# KiCad board SlowLampLEDPanel.kicad_pcb (continued)
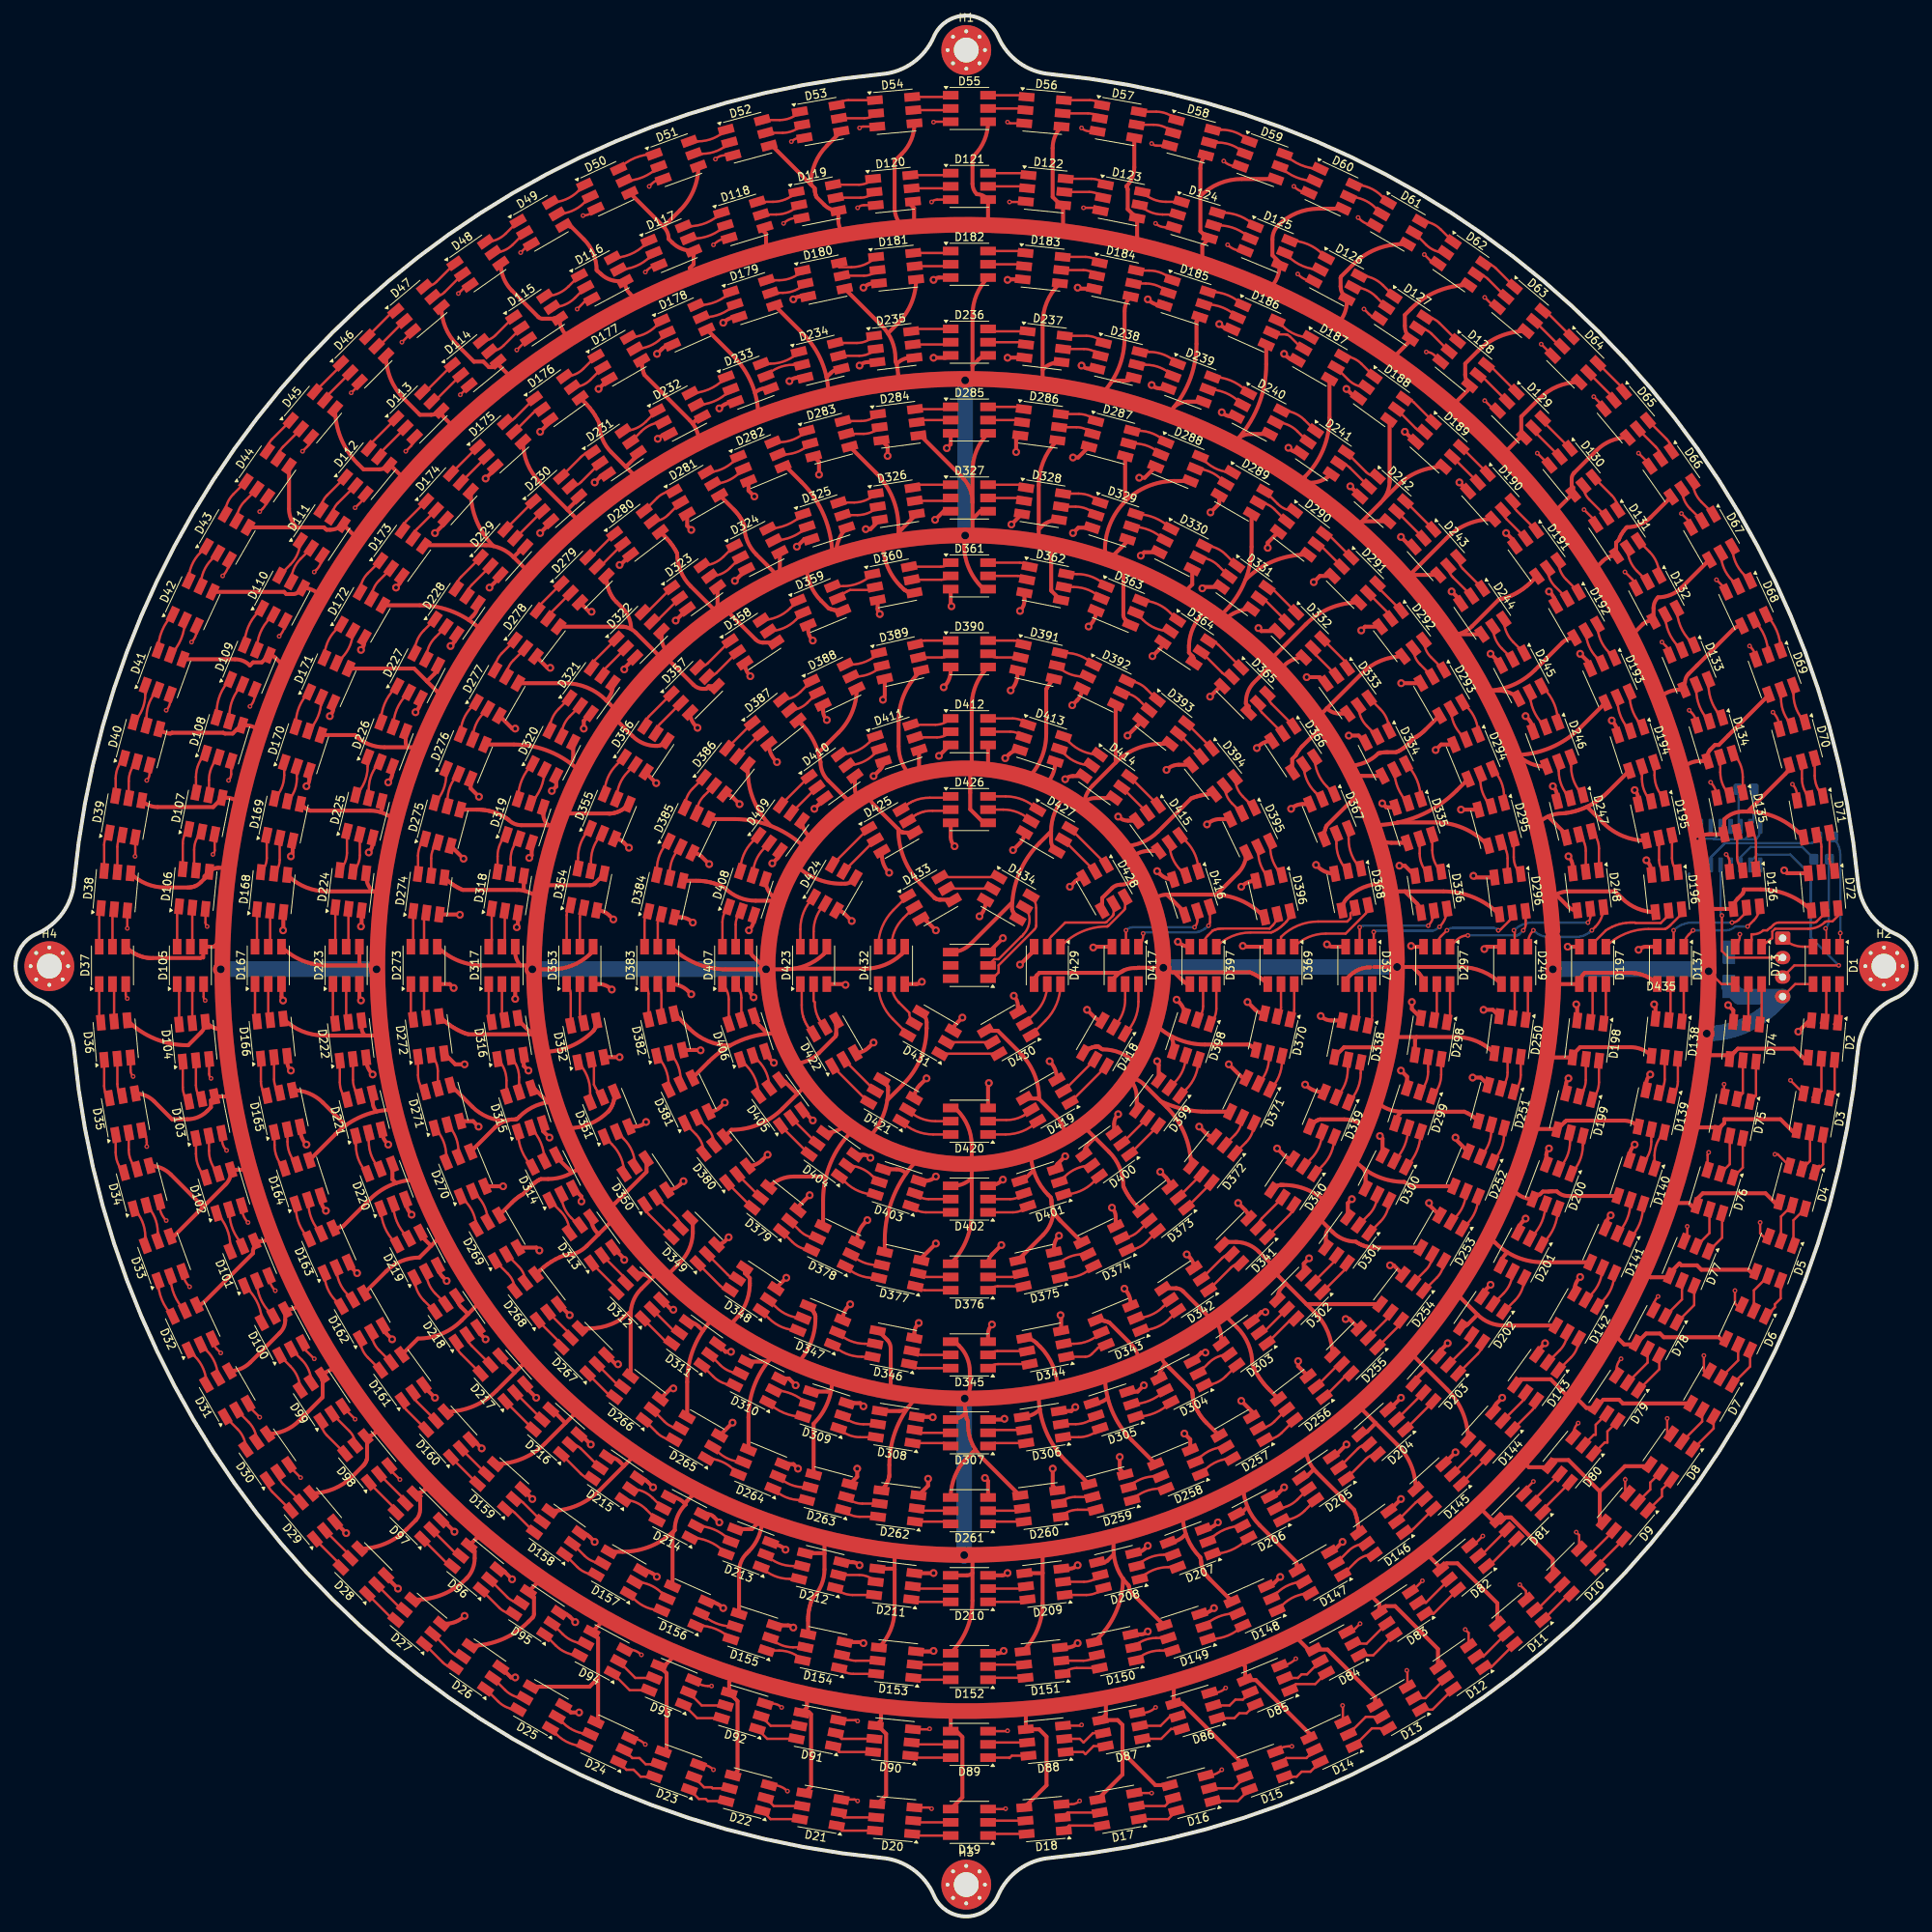
[diagram p0: board, top side]
## Placement (name value [footprint] x y rotation side) (continued)
D338  HD108  [LED_RGB_5050-6]  171.48 112.32 258.8 top
D339  HD108  [LED_RGB_5050-6]  168.63 102.95 247.5 top
D340  HD108  [LED_RGB_5050-6]  164.01 94.3 236.2 top
D341  HD108  [LED_RGB_5050-6]  157.79 86.72 225 top
D342  HD108  [LED_RGB_5050-6]  150.22 80.51 213.8 top
D343  HD108  [LED_RGB_5050-6]  141.57 75.89 202.5 top
D344  HD108  [LED_RGB_5050-6]  132.19 73.04 191.2 top
D345  HD108  [LED_RGB_5050-6]  122.44 72.08 180 top
D346  HD108  [LED_RGB_5050-6]  112.68 73.04 168.8 top
D347  HD108  [LED_RGB_5050-6]  103.3 75.89 157.5 top
D348  HD108  [LED_RGB_5050-6]  94.66 80.51 146.2 top
D349  HD108  [LED_RGB_5050-6]  87.08 86.72 135 top
D350  HD108  [LED_RGB_5050-6]  80.86 94.3 123.8 top
D351  HD108  [LED_RGB_5050-6]  76.24 102.95 112.5 top
D352  HD108  [LED_RGB_5050-6]  73.4 112.32 101.2 top
D353  HD108  [LED_RGB_5050-6]  72.44 122.08 90 top
D354  HD108  [LED_RGB_5050-6]  73.4 131.83 78.8 top
D355  HD108  [LED_RGB_5050-6]  76.24 141.21 67.5 top
D356  HD108  [LED_RGB_5050-6]  80.86 149.86 56.2 top
D357  HD108  [LED_RGB_5050-6]  87.08 157.43 45 top
D358  HD108  [LED_RGB_5050-6]  94.66 163.65 33.8 top
D359  HD108  [LED_RGB_5050-6]  103.3 168.27 22.5 top
D360  HD108  [LED_RGB_5050-6]  112.68 171.12 11.2 top
D361  HD108  [LED_RGB_5050-6]  122.44 172.08 0 top
D362  HD108  [LED_RGB_5050-6]  132.19 171.12 348.8 top
D363  HD108  [LED_RGB_5050-6]  141.57 168.27 337.5 top
D364  HD108  [LED_RGB_5050-6]  150.22 163.65 326.2 top
D365  HD108  [LED_RGB_5050-6]  157.79 157.43 315 top
D366  HD108  [LED_RGB_5050-6]  164.01 149.86 303.8 top
D367  HD108  [LED_RGB_5050-6]  168.63 141.21 292.5 top
D368  HD108  [LED_RGB_5050-6]  171.48 131.83 281.2 top
D369  HD108  [LED_RGB_5050-6]  162.44 122.08 270 top
D370  HD108  [LED_RGB_5050-6]  161.43 113.18 257.1 top
D371  HD108  [LED_RGB_5050-6]  158.48 104.72 244.3 top
D372  HD108  [LED_RGB_5050-6]  153.71 97.14 231.4 top
D373  HD108  [LED_RGB_5050-6]  147.38 90.81 218.6 top
D374  HD108  [LED_RGB_5050-6]  139.79 86.04 205.7 top
D375  HD108  [LED_RGB_5050-6]  131.34 83.08 192.9 top
D376  HD108  [LED_RGB_5050-6]  122.44 82.08 180 top
D377  HD108  [LED_RGB_5050-6]  113.54 83.08 167.1 top
D378  HD108  [LED_RGB_5050-6]  105.08 86.04 154.3 top
D379  HD108  [LED_RGB_5050-6]  97.5 90.81 141.4 top
D380  HD108  [LED_RGB_5050-6]  91.16 97.14 128.6 top
D381  HD108  [LED_RGB_5050-6]  86.4 104.72 115.7 top
D382  HD108  [LED_RGB_5050-6]  83.44 113.18 102.9 top
D383  HD108  [LED_RGB_5050-6]  82.44 122.08 90 top
D384  HD108  [LED_RGB_5050-6]  83.44 130.98 77.1 top
D385  HD108  [LED_RGB_5050-6]  86.4 139.43 64.3 top
D386  HD108  [LED_RGB_5050-6]  91.16 147.02 51.4 top
D387  HD108  [LED_RGB_5050-6]  97.5 153.35 38.6 top
D388  HD108  [LED_RGB_5050-6]  105.08 158.12 25.7 top
D389  HD108  [LED_RGB_5050-6]  113.54 161.08 12.9 top
D390  HD108  [LED_RGB_5050-6]  122.44 162.08 0 top
D391  HD108  [LED_RGB_5050-6]  131.34 161.08 347.1 top
D392  HD108  [LED_RGB_5050-6]  139.79 158.12 334.3 top
D393  HD108  [LED_RGB_5050-6]  147.38 153.35 321.4 top
D394  HD108  [LED_RGB_5050-6]  153.71 147.02 308.6 top
D395  HD108  [LED_RGB_5050-6]  158.48 139.43 295.7 top
D396  HD108  [LED_RGB_5050-6]  161.43 130.98 282.9 top
D397  HD108  [LED_RGB_5050-6]  152.44 122.08 270 top
D398  HD108  [LED_RGB_5050-6]  150.97 112.81 252 top
D399  HD108  [LED_RGB_5050-6]  146.71 104.45 234 top
D400  HD108  [LED_RGB_5050-6]  140.07 97.81 216 top
D401  HD108  [LED_RGB_5050-6]  131.71 93.55 198 top
D402  HD108  [LED_RGB_5050-6]  122.44 92.08 180 top
D403  HD108  [LED_RGB_5050-6]  113.17 93.55 162 top
D404  HD108  [LED_RGB_5050-6]  104.8 97.81 144 top
D405  HD108  [LED_RGB_5050-6]  98.17 104.45 126 top
D406  HD108  [LED_RGB_5050-6]  93.91 112.81 108 top
D407  HD108  [LED_RGB_5050-6]  92.44 122.08 90 top
D408  HD108  [LED_RGB_5050-6]  93.91 131.35 72 top
D409  HD108  [LED_RGB_5050-6]  98.17 139.71 54 top
D410  HD108  [LED_RGB_5050-6]  104.8 146.35 36 top
D411  HD108  [LED_RGB_5050-6]  113.17 150.61 18 top
D412  HD108  [LED_RGB_5050-6]  122.44 152.08 0 top
D413  HD108  [LED_RGB_5050-6]  131.71 150.61 342 top
D414  HD108  [LED_RGB_5050-6]  140.07 146.35 324 top
D415  HD108  [LED_RGB_5050-6]  146.71 139.71 306 top
D416  HD108  [LED_RGB_5050-6]  150.97 131.35 288 top
D417  HD108  [LED_RGB_5050-6]  142.44 122.08 270 top
D418  HD108  [LED_RGB_5050-6]  139.76 112.08 240 top
D419  HD108  [LED_RGB_5050-6]  132.44 104.76 210 top
D420  HD108  [LED_RGB_5050-6]  122.44 102.08 180 top
D421  HD108  [LED_RGB_5050-6]  112.44 104.76 150 top
D422  HD108  [LED_RGB_5050-6]  105.12 112.08 120 top
D423  HD108  [LED_RGB_5050-6]  102.44 122.08 90 top
D424  HD108  [LED_RGB_5050-6]  105.12 132.08 60 top
D425  HD108  [LED_RGB_5050-6]  112.44 139.4 30 top
D426  HD108  [LED_RGB_5050-6]  122.44 142.08 0 top
D427  HD108  [LED_RGB_5050-6]  132.44 139.4 330 top
D428  HD108  [LED_RGB_5050-6]  139.76 132.08 300 top
D429  HD108  [LED_RGB_5050-6]  132.44 122.08 270 top
D430  HD108  [LED_RGB_5050-6]  127.44 113.42 210 top
D431  HD108  [LED_RGB_5050-6]  117.44 113.42 150 top
D432  HD108  [LED_RGB_5050-6]  112.44 122.08 90 top
D433  HD108  [LED_RGB_5050-6]  117.44 130.74 30 top
D434  HD108  [LED_RGB_5050-6]  127.44 130.74 330 top
D435  HD108  [LED_RGB_5050-6]  122.44 122.08 180 top
G***  -  [LOGO]  121.94 70.17 180 bottom
H1  MountingHole_Pad  [MountingHole_3.2mm_M3_Pad_Via]  122.04 239.58 0 top
H2  MountingHole_Pad  [MountingHole_3.2mm_M3_Pad_Via]  239.84 121.98 0 top
H3  MountingHole_Pad  [MountingHole_3.2mm_M3_Pad_Via]  122.03 4.08 0 top
H4  MountingHole_Pad  [MountingHole_3.2mm_M3_Pad_Via]  4.34 121.98 0 top
J2  Conn_01x04_Socket  [JST_XH_B4B-XH-A_1x04_P2.50mm_Vertical]  226.84 125.58 270 bottom
R5  47Ω  [R_0805_2012Metric_Pad1.20x1.40mm_HandSolder]  231.84 135.71 0 bottom
R6  47Ω  [R_0805_2012Metric_Pad1.20x1.40mm_HandSolder]  232.34 138.58 0 bottom
U1  74AHCT125  [SOIC-14_3.9x8.7mm_P1.27mm]  220.15 137.45 90 bottom

## Library data of the parts
C1 = -: Description: Polarized capacitor; ki_fp_filters: CP_*
C5 = -: Description: Unpolarized capacitor; ki_fp_filters: C_*
D1-D435 = -: Datasheet: http://www.led-color.com/upload/201506/APA102%20LED.pdf; Description: RGB LED with integrated controller; ki_fp_filters: LED*RGB*5050*
H1-H4 = -: Description: Mounting Hole with connection; ki_fp_filters: MountingHole*Pad*
J2 = -: Description: Generic connector, single row, 01x04, script generated; ki_fp_filters: Connector*:*_1x??_*
R5 R6 = -: Description: Resistor; ki_fp_filters: R_*
U1 = -: Datasheet: https://www.ti.com/lit/ds/symlink/sn74ahct125.pdf; Description: Quadruple Bus Buffer Gates With 3-State Outputs; ki_fp_filters: DIP*W7.62mm* SO14* SSOP?14* TSSOP?14* SOIC*3.9x8.7mm*P1.27mm*

## Footprints (pads in the part's own frame, mm; a bottom-side part is the same pattern mirrored in y, then rotated)
C_0805_2012Metric_Pad1.18x1.45mm_HandSolder
  rrect 1.175x1.45 smd: 1(-1.038,0) 2(1.038,0)
JST_XH_B4B-XH-A_1x04_P2.50mm_Vertical
  rrect 1.7x1.95 hole 0.95: 1(0,0)
  oval 1.7x1.95 hole 0.95: 2(2.5,0) 3(5,0) 4(7.5,0)
LED_RGB_5050-6
  rect 2x1.1 smd: 1(-2.4,1.7) 2(-2.4,0) 3(-2.4,-1.7) 4(2.4,-1.7) 5(2.4,0) 6(2.4,1.7)
MountingHole_3.2mm_M3_Pad_Via
  round 0.8 hole 0.5: 1(-2.4,0) 1(-1.697,1.697) 1(-1.697,-1.697) 1(0,2.4) 1(0,-2.4) 1(1.697,1.697) 1(1.697,-1.697) 1(2.4,0)
  round 6.4 hole 3.2: 1(0,0)
R_0805_2012Metric_Pad1.20x1.40mm_HandSolder
  rrect 1.2x1.4 smd: 1(-1,0) 2(1,0)
SOIC-14_3.9x8.7mm_P1.27mm
  rrect 1.95x0.6 smd: 1(-2.475,3.81) 2(-2.475,2.54) 3(-2.475,1.27) 4(-2.475,0) 5(-2.475,-1.27) 6(-2.475,-2.54) 7(-2.475,-3.81) 8(2.475,-3.81) 9(2.475,-2.54) 10(2.475,-1.27) 11(2.475,0) 12(2.475,1.27) 13(2.475,2.54) 14(2.475,3.81)
WCAP-ASLI_5X5.5_DXL_
  rect 3x1.6 smd: 1(2.2,0) 2(-2.2,0)

## Nets
+5V: C1.1 C5.1 D1.4 D2.4 D3.4 D4.4 D5.4 D6.4 D7.4 D8.4 D9.4 D10.4 D11.4 D12.4 D13.4 D14.4 D15.4 D16.4 D17.4 D18.4 D19.4 D20.4 D21.4 D22.4 D23.4 D24.4 D25.4 D26.4 D27.4 D28.4 D29.4 D30.4 D31.4 D32.4 D33.4 D34.4 D35.4 D36.4 D37.4 D38.4 D39.4 D40.4 D41.4 D42.4 D43.4 D44.4 D45.4 D46.4 D47.4 D48.4 D49.4 D50.4 D51.4 D52.4 D53.4 D54.4 D55.4 D56.4 D57.4 D58.4 D59.4 D60.4 D61.4 D62.4 D63.4 D64.4 D65.4 D66.4 D67.4 D68.4 D69.4 D70.4 D71.4 D72.4 D73.4 D74.4 D75.4 D76.4 D77.4 D78.4 D79.4 D80.4 D81.4 D82.4 D83.4 D84.4 D85.4 D86.4 D87.4 D88.4 D89.4 D90.4 D91.4 D92.4 D93.4 D94.4 D95.4 D96.4 D97.4 D98.4 D99.4 D100.4 D101.4 D102.4 D103.4 D104.4 D105.4 D106.4 D107.4 D108.4 D109.4 D110.4 D111.4 D112.4 D113.4 D114.4 D115.4 D116.4 D117.4 D118.4 D119.4 D120.4 D121.4 D122.4 D123.4 D124.4 D125.4 D126.4 D127.4 D128.4 D129.4 D130.4 D131.4 D132.4 D133.4 D134.4 D135.4 D136.4 D137.4 D138.4 D139.4 D140.4 D141.4 D142.4 D143.4 D144.4 D145.4 D146.4 D147.4 D148.4 D149.4 D150.4 D151.4 D152.4 D153.4 D154.4 D155.4 D156.4 D157.4 D158.4 D159.4 D160.4 D161.4 D162.4 D163.4 D164.4 D165.4 D166.4 D167.4 D168.4 D169.4 D170.4 D171.4 D172.4 D173.4 D174.4 D175.4 D176.4 D177.4 D178.4 D179.4 D180.4 D181.4 D182.4 D183.4 D184.4 D185.4 D186.4 D187.4 D188.4 D189.4 D190.4 D191.4 D192.4 D193.4 D194.4 D195.4 D196.4 D197.4 D198.4 D199.4 D200.4 D201.4 D202.4 D203.4 D204.4 D205.4 D206.4 D207.4 D208.4 D209.4 D210.4 D211.4 D212.4 D213.4 D214.4 D215.4 D216.4 D217.4 D218.4 D219.4 D220.4 D221.4 D222.4 D223.4 D224.4 D225.4 D226.4 D227.4 D228.4 D229.4 D230.4 D231.4 D232.4 D233.4 D234.4 D235.4 D236.4 D237.4 D238.4 D239.4 D240.4 D241.4 D242.4 D243.4 D244.4 D245.4 D246.4 D247.4 D248.4 D249.4 D250.4 D251.4 D252.4 D253.4 D254.4 D255.4 D256.4 D257.4 D258.4 D259.4 D260.4 D261.4 D262.4 D263.4 D264.4 D265.4 D266.4 D267.4 D268.4 D269.4 D270.4 D271.4 D272.4 D273.4 D274.4 D275.4 D276.4 D277.4 D278.4 D279.4 D280.4 D281.4 D282.4 D283.4 D284.4 D285.4 D286.4 D287.4 D288.4 D289.4 D290.4 D291.4 D292.4 D293.4 D294.4 D295.4 D296.4 D297.4 D298.4 D299.4 D300.4 D301.4 D302.4 D303.4 D304.4 D305.4 D306.4 D307.4 D308.4 D309.4 D310.4 D311.4 D312.4 D313.4 D314.4 D315.4 D316.4 D317.4 D318.4 D319.4 D320.4 D321.4 D322.4 D323.4 D324.4 D325.4 D326.4 D327.4 D328.4 D329.4 D330.4 D331.4 D332.4 D333.4 D334.4 D335.4 D336.4 D337.4 D338.4 D339.4 D340.4 D341.4 D342.4 D343.4 D344.4 D345.4 D346.4 D347.4 D348.4 D349.4 D350.4 D351.4 D352.4 D353.4 D354.4 D355.4 D356.4 D357.4 D358.4 D359.4 D360.4 D361.4 D362.4 D363.4 D364.4 D365.4 D366.4 D367.4 D368.4 D369.4 D370.4 D371.4 D372.4 D373.4 D374.4 D375.4 D376.4 D377.4 D378.4 D379.4 D380.4 D381.4 D382.4 D383.4 D384.4 D385.4 D386.4 D387.4 D388.4 D389.4 D390.4 D391.4 D392.4 D393.4 D394.4 D395.4 D396.4 D397.4 D398.4 D399.4 D400.4 D401.4 D402.4 D403.4 D404.4 D405.4 D406.4 D407.4 D408.4 D409.4 D410.4 D411.4 D412.4 D413.4 D414.4 D415.4 D416.4 D417.4 D418.4 D419.4 D420.4 D421.4 D422.4 D423.4 D424.4 D425.4 D426.4 D427.4 D428.4 D429.4 D430.4 D431.4 D432.4 D433.4 D434.4 D435.4 J2.4 U1.10 U1.13 U1.14
GND: C1.2 C5.2 D1.3 D2.3 D3.3 D4.3 D5.3 D6.3 D7.3 D8.3 D9.3 D10.3 D11.3 D12.3 D13.3 D14.3 D15.3 D16.3 D17.3 D18.3 D19.3 D20.3 D21.3 D22.3 D23.3 D24.3 D25.3 D26.3 D27.3 D28.3 D29.3 D30.3 D31.3 D32.3 D33.3 D34.3 D35.3 D36.3 D37.3 D38.3 D39.3 D40.3 D41.3 D42.3 D43.3 D44.3 D45.3 D46.3 D47.3 D48.3 D49.3 D50.3 D51.3 D52.3 D53.3 D54.3 D55.3 D56.3 D57.3 D58.3 D59.3 D60.3 D61.3 D62.3 D63.3 D64.3 D65.3 D66.3 D67.3 D68.3 D69.3 D70.3 D71.3 D72.3 D73.3 D74.3 D75.3 D76.3 D77.3 D78.3 D79.3 D80.3 D81.3 D82.3 D83.3 D84.3 D85.3 D86.3 D87.3 D88.3 D89.3 D90.3 D91.3 D92.3 D93.3 D94.3 D95.3 D96.3 D97.3 D98.3 D99.3 D100.3 D101.3 D102.3 D103.3 D104.3 D105.3 D106.3 D107.3 D108.3 D109.3 D110.3 D111.3 D112.3 D113.3 D114.3 D115.3 D116.3 D117.3 D118.3 D119.3 D120.3 D121.3 D122.3 D123.3 D124.3 D125.3 D126.3 D127.3 D128.3 D129.3 D130.3 D131.3 D132.3 D133.3 D134.3 D135.3 D136.3 D137.3 D138.3 D139.3 D140.3 D141.3 D142.3 D143.3 D144.3 D145.3 D146.3 D147.3 D148.3 D149.3 D150.3 D151.3 D152.3 D153.3 D154.3 D155.3 D156.3 D157.3 D158.3 D159.3 D160.3 D161.3 D162.3 D163.3 D164.3 D165.3 D166.3 D167.3 D168.3 D169.3 D170.3 D171.3 D172.3 D173.3 D174.3 D175.3 D176.3 D177.3 D178.3 D179.3 D180.3 D181.3 D182.3 D183.3 D184.3 D185.3 D186.3 D187.3 D188.3 D189.3 D190.3 D191.3 D192.3 D193.3 D194.3 D195.3 D196.3 D197.3 D198.3 D199.3 D200.3 D201.3 D202.3 D203.3 D204.3 D205.3 D206.3 D207.3 D208.3 D209.3 D210.3 D211.3 D212.3 D213.3 D214.3 D215.3 D216.3 D217.3 D218.3 D219.3 D220.3 D221.3 D222.3 D223.3 D224.3 D225.3 D226.3 D227.3 D228.3 D229.3 D230.3 D231.3 D232.3 D233.3 D234.3 D235.3 D236.3 D237.3 D238.3 D239.3 D240.3 D241.3 D242.3 D243.3 D244.3 D245.3 D246.3 D247.3 D248.3 D249.3 D250.3 D251.3 D252.3 D253.3 D254.3 D255.3 D256.3 D257.3 D258.3 D259.3 D260.3 D261.3 D262.3 D263.3 D264.3 D265.3 D266.3 D267.3 D268.3 D269.3 D270.3 D271.3 D272.3 D273.3 D274.3 D275.3 D276.3 D277.3 D278.3 D279.3 D280.3 D281.3 D282.3 D283.3 D284.3 D285.3 D286.3 D287.3 D288.3 D289.3 D290.3 D291.3 D292.3 D293.3 D294.3 D295.3 D296.3 D297.3 D298.3 D299.3 D300.3 D301.3 D302.3 D303.3 D304.3 D305.3 D306.3 D307.3 D308.3 D309.3 D310.3 D311.3 D312.3 D313.3 D314.3 D315.3 D316.3 D317.3 D318.3 D319.3 D320.3 D321.3 D322.3 D323.3 D324.3 D325.3 D326.3 D327.3 D328.3 D329.3 D330.3 D331.3 D332.3 D333.3 D334.3 D335.3 D336.3 D337.3 D338.3 D339.3 D340.3 D341.3 D342.3 D343.3 D344.3 D345.3 D346.3 D347.3 D348.3 D349.3 D350.3 D351.3 D352.3 D353.3 D354.3 D355.3 D356.3 D357.3 D358.3 D359.3 D360.3 D361.3 D362.3 D363.3 D364.3 D365.3 D366.3 D367.3 D368.3 D369.3 D370.3 D371.3 D372.3 D373.3 D374.3 D375.3 D376.3 D377.3 D378.3 D379.3 D380.3 D381.3 D382.3 D383.3 D384.3 D385.3 D386.3 D387.3 D388.3 D389.3 D390.3 D391.3 D392.3 D393.3 D394.3 D395.3 D396.3 D397.3 D398.3 D399.3 D400.3 D401.3 D402.3 D403.3 D404.3 D405.3 D406.3 D407.3 D408.3 D409.3 D410.3 D411.3 D412.3 D413.3 D414.3 D415.3 D416.3 D417.3 D418.3 D419.3 D420.3 D421.3 D422.3 D423.3 D424.3 D425.3 D426.3 D427.3 D428.3 D429.3 D430.3 D431.3 D432.3 D433.3 D434.3 D435.3 J2.1 U1.1 U1.4 U1.7 U1.9 U1.12
CKI: D1.2 R5.2
SDI: D1.1 R6.2
Net-(D1-CO): D1.5 D2.2
Net-(D1-DO): D1.6 D2.1
Net-(D2-CO): D2.5 D3.2
Net-(D2-DO): D2.6 D3.1
Net-(D3-CO): D3.5 D4.2
Net-(D3-DO): D3.6 D4.1
Net-(D4-CO): D4.5 D5.2
Net-(D4-DO): D4.6 D5.1
Net-(D5-CO): D5.5 D6.2
Net-(D5-DO): D5.6 D6.1
Net-(D6-CO): D6.5 D7.2
Net-(D6-DO): D6.6 D7.1
Net-(D7-CO): D7.5 D8.2
Net-(D7-DO): D7.6 D8.1
Net-(D8-CO): D8.5 D9.2
Net-(D8-DO): D8.6 D9.1
Net-(D10-CI): D9.5 D10.2
Net-(D10-CO): D10.5 D11.2
Net-(D10-DI): D9.6 D10.1
Net-(D10-DO): D10.6 D11.1
Net-(D11-CO): D11.5 D12.2
Net-(D11-DO): D11.6 D12.1
Net-(D12-CO): D12.5 D13.2
Net-(D12-DO): D12.6 D13.1
Net-(D13-CO): D13.5 D14.2
Net-(D13-DO): D13.6 D14.1
Net-(D14-CO): D14.5 D15.2
Net-(D14-DO): D14.6 D15.1
Net-(D15-CO): D15.5 D16.2
Net-(D15-DO): D15.6 D16.1
Net-(D16-CO): D16.5 D17.2
Net-(D16-DO): D16.6 D17.1
Net-(D17-CO): D17.5 D18.2
Net-(D17-DO): D17.6 D18.1
Net-(D18-CO): D18.5 D19.2
Net-(D18-DO): D18.6 D19.1
Net-(D19-CO): D19.5 D20.2
Net-(D19-DO): D19.6 D20.1
Net-(D20-CO): D20.5 D21.2
Net-(D20-DO): D20.6 D21.1
Net-(D21-CO): D21.5 D22.2
Net-(D21-DO): D21.6 D22.1
Net-(D22-CO): D22.5 D23.2
Net-(D22-DO): D22.6 D23.1
Net-(D23-CO): D23.5 D24.2
Net-(D23-DO): D23.6 D24.1
Net-(D24-CO): D24.5 D25.2
Net-(D24-DO): D24.6 D25.1
Net-(D25-CO): D25.5 D26.2
Net-(D25-DO): D25.6 D26.1
Net-(D26-CO): D26.5 D27.2
Net-(D26-DO): D26.6 D27.1
Net-(D27-CO): D27.5 D28.2
Net-(D27-DO): D27.6 D28.1
Net-(D28-CO): D28.5 D29.2
Net-(D28-DO): D28.6 D29.1
Net-(D29-CO): D29.5 D30.2
Net-(D29-DO): D29.6 D30.1
Net-(D30-CO): D30.5 D31.2
Net-(D30-DO): D30.6 D31.1
Net-(D31-CO): D31.5 D32.2
Net-(D31-DO): D31.6 D32.1
Net-(D32-CO): D32.5 D33.2
Net-(D32-DO): D32.6 D33.1
Net-(D33-CO): D33.5 D34.2
Net-(D33-DO): D33.6 D34.1
Net-(D34-CO): D34.5 D35.2
Net-(D34-DO): D34.6 D35.1
Net-(D35-CO): D35.5 D36.2
Net-(D35-DO): D35.6 D36.1
Net-(D36-CO): D36.5 D37.2
Net-(D36-DO): D36.6 D37.1
Net-(D37-CO): D37.5 D38.2
Net-(D37-DO): D37.6 D38.1
Net-(D38-CO): D38.5 D39.2
Net-(D38-DO): D38.6 D39.1
Net-(D39-CO): D39.5 D40.2
Net-(D39-DO): D39.6 D40.1
Net-(D40-CO): D40.5 D41.2
Net-(D40-DO): D40.6 D41.1
Net-(D41-CO): D41.5 D42.2
Net-(D41-DO): D41.6 D42.1
Net-(D42-CO): D42.5 D43.2
Net-(D42-DO): D42.6 D43.1
Net-(D43-CO): D43.5 D44.2
Net-(D43-DO): D43.6 D44.1
Net-(D44-CO): D44.5 D45.2
Net-(D44-DO): D44.6 D45.1
Net-(D45-CO): D45.5 D46.2
Net-(D45-DO): D45.6 D46.1
Net-(D46-CO): D46.5 D47.2
Net-(D46-DO): D46.6 D47.1
Net-(D47-CO): D47.5 D48.2
Net-(D47-DO): D47.6 D48.1
Net-(D48-CO): D48.5 D49.2
Net-(D48-DO): D48.6 D49.1
Net-(D49-CO): D49.5 D50.2
Net-(D49-DO): D49.6 D50.1
Net-(D50-CO): D50.5 D51.2
Net-(D50-DO): D50.6 D51.1
Net-(D51-CO): D51.5 D52.2
Net-(D51-DO): D51.6 D52.1
Net-(D52-CO): D52.5 D53.2
Net-(D52-DO): D52.6 D53.1
Net-(D53-CO): D53.5 D54.2
Net-(D53-DO): D53.6 D54.1
Net-(D54-CO): D54.5 D55.2
Net-(D54-DO): D54.6 D55.1
Net-(D55-CO): D55.5 D56.2
Net-(D55-DO): D55.6 D56.1
Net-(D56-CO): D56.5 D57.2
Net-(D56-DO): D56.6 D57.1
Net-(D57-CO): D57.5 D58.2
Net-(D57-DO): D57.6 D58.1
Net-(D58-CO): D58.5 D59.2
Net-(D58-DO): D58.6 D59.1
Net-(D59-CO): D59.5 D60.2
Net-(D59-DO): D59.6 D60.1
Net-(D60-CO): D60.5 D61.2
Net-(D60-DO): D60.6 D61.1
Net-(D61-CO): D61.5 D62.2
Net-(D61-DO): D61.6 D62.1
Net-(D62-CO): D62.5 D63.2
Net-(D62-DO): D62.6 D63.1
Net-(D63-CO): D63.5 D64.2
Net-(D63-DO): D63.6 D64.1
Net-(D64-CO): D64.5 D65.2
Net-(D64-DO): D64.6 D65.1
Net-(D65-CO): D65.5 D66.2
Net-(D65-DO): D65.6 D66.1
Net-(D66-CO): D66.5 D67.2
Net-(D66-DO): D66.6 D67.1
Net-(D67-CO): D67.5 D68.2
Net-(D67-DO): D67.6 D68.1
Net-(D68-CO): D68.5 D69.2
Net-(D68-DO): D68.6 D69.1
Net-(D69-CO): D69.5 D70.2
Net-(D69-DO): D69.6 D70.1
Net-(D70-CO): D70.5 D71.2
Net-(D70-DO): D70.6 D71.1
Net-(D71-CO): D71.5 D72.2
Net-(D71-DO): D71.6 D72.1
Net-(D72-CO): D72.5 D73.2
Net-(D72-DO): D72.6 D73.1
Net-(D73-CO): D73.5 D74.2
Net-(D73-DO): D73.6 D74.1
Net-(D74-CO): D74.5 D75.2
Net-(D74-DO): D74.6 D75.1
Net-(D75-CO): D75.5 D76.2
Net-(D75-DO): D75.6 D76.1
Net-(D76-CO): D76.5 D77.2
Net-(D76-DO): D76.6 D77.1
Net-(D77-CO): D77.5 D78.2
Net-(D77-DO): D77.6 D78.1
Net-(D78-CO): D78.5 D79.2
Net-(D78-DO): D78.6 D79.1
Net-(D79-CO): D79.5 D80.2
Net-(D79-DO): D79.6 D80.1
Net-(D80-CO): D80.5 D81.2
Net-(D80-DO): D80.6 D81.1
Net-(D81-CO): D81.5 D82.2
Net-(D81-DO): D81.6 D82.1
Net-(D82-CO): D82.5 D83.2
Net-(D82-DO): D82.6 D83.1
Net-(D83-CO): D83.5 D84.2
Net-(D83-DO): D83.6 D84.1
Net-(D84-CO): D84.5 D85.2
Net-(D84-DO): D84.6 D85.1
Net-(D85-CO): D85.5 D86.2
Net-(D85-DO): D85.6 D86.1
Net-(D86-CO): D86.5 D87.2
Net-(D86-DO): D86.6 D87.1
Net-(D87-CO): D87.5 D88.2
Net-(D87-DO): D87.6 D88.1
Net-(D88-CO): D88.5 D89.2
Net-(D88-DO): D88.6 D89.1
Net-(D89-CO): D89.5 D90.2
Net-(D89-DO): D89.6 D90.1
Net-(D90-CO): D90.5 D91.2
Net-(D90-DO): D90.6 D91.1
Net-(D91-CO): D91.5 D92.2
Net-(D91-DO): D91.6 D92.1
Net-(D92-CO): D92.5 D93.2
Net-(D92-DO): D92.6 D93.1
Net-(D93-CO): D93.5 D94.2
Net-(D93-DO): D93.6 D94.1
Net-(D94-CO): D94.5 D95.2
Net-(D94-DO): D94.6 D95.1
Net-(D95-CO): D95.5 D96.2
Net-(D95-DO): D95.6 D96.1
Net-(D96-CO): D96.5 D97.2
Net-(D96-DO): D96.6 D97.1
Net-(D97-CO): D97.5 D98.2
Net-(D97-DO): D97.6 D98.1
Net-(D98-CO): D98.5 D99.2
Net-(D98-DO): D98.6 D99.1
Net-(D100-CI): D99.5 D100.2
Net-(D100-CO): D100.5 D101.2
Net-(D100-DI): D99.6 D100.1
Net-(D100-DO): D100.6 D101.1
Net-(D101-CO): D101.5 D102.2
Net-(D101-DO): D101.6 D102.1
Net-(D102-CO): D102.5 D103.2
Net-(D102-DO): D102.6 D103.1
Net-(D103-CO): D103.5 D104.2
Net-(D103-DO): D103.6 D104.1
Net-(D104-CO): D104.5 D105.2
Net-(D104-DO): D104.6 D105.1
Net-(D105-CO): D105.5 D106.2
Net-(D105-DO): D105.6 D106.1
Net-(D106-CO): D106.5 D107.2
Net-(D106-DO): D106.6 D107.1
Net-(D107-CO): D107.5 D108.2
Net-(D107-DO): D107.6 D108.1
Net-(D108-CO): D108.5 D109.2
Net-(D108-DO): D108.6 D109.1
Net-(D109-CO): D109.5 D110.2
Net-(D109-DO): D109.6 D110.1
Net-(D110-CO): D110.5 D111.2
Net-(D110-DO): D110.6 D111.1
Net-(D111-CO): D111.5 D112.2
Net-(D111-DO): D111.6 D112.1
Net-(D112-CO): D112.5 D113.2
Net-(D112-DO): D112.6 D113.1
Net-(D113-CO): D113.5 D114.2
Net-(D113-DO): D113.6 D114.1
Net-(D114-CO): D114.5 D115.2
Net-(D114-DO): D114.6 D115.1
Net-(D115-CO): D115.5 D116.2
Net-(D115-DO): D115.6 D116.1
Net-(D116-CO): D116.5 D117.2
Net-(D116-DO): D116.6 D117.1
Net-(D117-CO): D117.5 D118.2
Net-(D117-DO): D117.6 D118.1
Net-(D118-CO): D118.5 D119.2
Net-(D118-DO): D118.6 D119.1
Net-(D119-CO): D119.5 D120.2
Net-(D119-DO): D119.6 D120.1
Net-(D120-CO): D120.5 D121.2
Net-(D120-DO): D120.6 D121.1
Net-(D121-CO): D121.5 D122.2
Net-(D121-DO): D121.6 D122.1
Net-(D122-CO): D122.5 D123.2
Net-(D122-DO): D122.6 D123.1
Net-(D123-CO): D123.5 D124.2
Net-(D123-DO): D123.6 D124.1
Net-(D124-CO): D124.5 D125.2
Net-(D124-DO): D124.6 D125.1
Net-(D125-CO): D125.5 D126.2
Net-(D125-DO): D125.6 D126.1
Net-(D126-CO): D126.5 D127.2
Net-(D126-DO): D126.6 D127.1
Net-(D127-CO): D127.5 D128.2
Net-(D127-DO): D127.6 D128.1
Net-(D128-CO): D128.5 D129.2
Net-(D128-DO): D128.6 D129.1
Net-(D129-CO): D129.5 D130.2
Net-(D129-DO): D129.6 D130.1
Net-(D130-CO): D130.5 D131.2
Net-(D130-DO): D130.6 D131.1
Net-(D131-CO): D131.5 D132.2
Net-(D131-DO): D131.6 D132.1
Net-(D132-CO): D132.5 D133.2
Net-(D132-DO): D132.6 D133.1
Net-(D133-CO): D133.5 D134.2
Net-(D133-DO): D133.6 D134.1
Net-(D134-CO): D134.5 D135.2
Net-(D134-DO): D134.6 D135.1
Net-(D135-CO): D135.5 D136.2
Net-(D135-DO): D135.6 D136.1
Net-(D136-CO): D136.5 D137.2
Net-(D136-DO): D136.6 D137.1
Net-(D137-CO): D137.5 D138.2
Net-(D137-DO): D137.6 D138.1
Net-(D138-CO): D138.5 D139.2
Net-(D138-DO): D138.6 D139.1
Net-(D139-CO): D139.5 D140.2
Net-(D139-DO): D139.6 D140.1
Net-(D140-CO): D140.5 D141.2
Net-(D140-DO): D140.6 D141.1
Net-(D141-CO): D141.5 D142.2
Net-(D141-DO): D141.6 D142.1
Net-(D142-CO): D142.5 D143.2
Net-(D142-DO): D142.6 D143.1
Net-(D143-CO): D143.5 D144.2
Net-(D143-DO): D143.6 D144.1
Net-(D144-CO): D144.5 D145.2
Net-(D144-DO): D144.6 D145.1
Net-(D145-CO): D145.5 D146.2
Net-(D145-DO): D145.6 D146.1
Net-(D146-CO): D146.5 D147.2
Net-(D146-DO): D146.6 D147.1
Net-(D147-CO): D147.5 D148.2
Net-(D147-DO): D147.6 D148.1
Net-(D148-CO): D148.5 D149.2
Net-(D148-DO): D148.6 D149.1
Net-(D149-CO): D149.5 D150.2
Net-(D149-DO): D149.6 D150.1
Net-(D150-CO): D150.5 D151.2
Net-(D150-DO): D150.6 D151.1
Net-(D151-CO): D151.5 D152.2
Net-(D151-DO): D151.6 D152.1
Net-(D152-CO): D152.5 D153.2
Net-(D152-DO): D152.6 D153.1
Net-(D153-CO): D153.5 D154.2
Net-(D153-DO): D153.6 D154.1
Net-(D154-CO): D154.5 D155.2
Net-(D154-DO): D154.6 D155.1
Net-(D155-CO): D155.5 D156.2
Net-(D155-DO): D155.6 D156.1
Net-(D156-CO): D156.5 D157.2
Net-(D156-DO): D156.6 D157.1
Net-(D157-CO): D157.5 D158.2
Net-(D157-DO): D157.6 D158.1
Net-(D158-CO): D158.5 D159.2
Net-(D158-DO): D158.6 D159.1
Net-(D159-CO): D159.5 D160.2
Net-(D159-DO): D159.6 D160.1
Net-(D160-CO): D160.5 D161.2
Net-(D160-DO): D160.6 D161.1
Net-(D161-CO): D161.5 D162.2
Net-(D161-DO): D161.6 D162.1
Net-(D162-CO): D162.5 D163.2
Net-(D162-DO): D162.6 D163.1
Net-(D163-CO): D163.5 D164.2
Net-(D163-DO): D163.6 D164.1
Net-(D164-CO): D164.5 D165.2
Net-(D164-DO): D164.6 D165.1
Net-(D165-CO): D165.5 D166.2
Net-(D165-DO): D165.6 D166.1
Net-(D166-CO): D166.5 D167.2
Net-(D166-DO): D166.6 D167.1
Net-(D167-CO): D167.5 D168.2
Net-(D167-DO): D167.6 D168.1
Net-(D168-CO): D168.5 D169.2
Net-(D168-DO): D168.6 D169.1
Net-(D169-CO): D169.5 D170.2
Net-(D169-DO): D169.6 D170.1
Net-(D170-CO): D170.5 D171.2
Net-(D170-DO): D170.6 D171.1
Net-(D171-CO): D171.5 D172.2
Net-(D171-DO): D171.6 D172.1
Net-(D172-CO): D172.5 D173.2
Net-(D172-DO): D172.6 D173.1
Net-(D173-CO): D173.5 D174.2
Net-(D173-DO): D173.6 D174.1
Net-(D174-CO): D174.5 D175.2
Net-(D174-DO): D174.6 D175.1
Net-(D175-CO): D175.5 D176.2
Net-(D175-DO): D175.6 D176.1
Net-(D176-CO): D176.5 D177.2
Net-(D176-DO): D176.6 D177.1
Net-(D177-CO): D177.5 D178.2
Net-(D177-DO): D177.6 D178.1
Net-(D178-CO): D178.5 D179.2
Net-(D178-DO): D178.6 D179.1
Net-(D179-CO): D179.5 D180.2
Net-(D179-DO): D179.6 D180.1
Net-(D180-CO): D180.5 D181.2
Net-(D180-DO): D180.6 D181.1
Net-(D181-CO): D181.5 D182.2
Net-(D181-DO): D181.6 D182.1
Net-(D182-CO): D182.5 D183.2
Net-(D182-DO): D182.6 D183.1
Net-(D183-CO): D183.5 D184.2
Net-(D183-DO): D183.6 D184.1
Net-(D184-CO): D184.5 D185.2
Net-(D184-DO): D184.6 D185.1
Net-(D185-CO): D185.5 D186.2
Net-(D185-DO): D185.6 D186.1
Net-(D186-CO): D186.5 D187.2
Net-(D186-DO): D186.6 D187.1
Net-(D187-CO): D187.5 D188.2
Net-(D187-DO): D187.6 D188.1
Net-(D188-CO): D188.5 D189.2
Net-(D188-DO): D188.6 D189.1
Net-(D189-CO): D189.5 D190.2
Net-(D189-DO): D189.6 D190.1
Net-(D190-CO): D190.5 D191.2
Net-(D190-DO): D190.6 D191.1
Net-(D191-CO): D191.5 D192.2
Net-(D191-DO): D191.6 D192.1
Net-(D192-CO): D192.5 D193.2
Net-(D192-DO): D192.6 D193.1
Net-(D193-CO): D193.5 D194.2
Net-(D193-DO): D193.6 D194.1
Net-(D194-CO): D194.5 D195.2
Net-(D194-DO): D194.6 D195.1
Net-(D195-CO): D195.5 D196.2
Net-(D195-DO): D195.6 D196.1
Net-(D196-CO): D196.5 D197.2
Net-(D196-DO): D196.6 D197.1
Net-(D197-CO): D197.5 D198.2
Net-(D197-DO): D197.6 D198.1
Net-(D198-CO): D198.5 D199.2
Net-(D198-DO): D198.6 D199.1
Net-(D199-CO): D199.5 D200.2
Net-(D199-DO): D199.6 D200.1
Net-(D200-CO): D200.5 D201.2
Net-(D200-DO): D200.6 D201.1
Net-(D201-CO): D201.5 D202.2
Net-(D201-DO): D201.6 D202.1
Net-(D202-CO): D202.5 D203.2
Net-(D202-DO): D202.6 D203.1
Net-(D203-CO): D203.5 D204.2
Net-(D203-DO): D203.6 D204.1
Net-(D204-CO): D204.5 D205.2
Net-(D204-DO): D204.6 D205.1
Net-(D205-CO): D205.5 D206.2
Net-(D205-DO): D205.6 D206.1
Net-(D206-CO): D206.5 D207.2
Net-(D206-DO): D206.6 D207.1
Net-(D207-CO): D207.5 D208.2
Net-(D207-DO): D207.6 D208.1
Net-(D208-CO): D208.5 D209.2
Net-(D208-DO): D208.6 D209.1
Net-(D209-CO): D209.5 D210.2
Net-(D209-DO): D209.6 D210.1
Net-(D210-CO): D210.5 D211.2
Net-(D210-DO): D210.6 D211.1
Net-(D211-CO): D211.5 D212.2
Net-(D211-DO): D211.6 D212.1
Net-(D212-CO): D212.5 D213.2
Net-(D212-DO): D212.6 D213.1
Net-(D213-CO): D213.5 D214.2
Net-(D213-DO): D213.6 D214.1
Net-(D214-CO): D214.5 D215.2
Net-(D214-DO): D214.6 D215.1
Net-(D215-CO): D215.5 D216.2
Net-(D215-DO): D215.6 D216.1
Net-(D216-CO): D216.5 D217.2
Net-(D216-DO): D216.6 D217.1
Net-(D217-CO): D217.5 D218.2
Net-(D217-DO): D217.6 D218.1
Net-(D218-CO): D218.5 D219.2
Net-(D218-DO): D218.6 D219.1
Net-(D219-CO): D219.5 D220.2
Net-(D219-DO): D219.6 D220.1
Net-(D220-CO): D220.5 D221.2
Net-(D220-DO): D220.6 D221.1
Net-(D221-CO): D221.5 D222.2
Net-(D221-DO): D221.6 D222.1
Net-(D222-CO): D222.5 D223.2
Net-(D222-DO): D222.6 D223.1
Net-(D223-CO): D223.5 D224.2
Net-(D223-DO): D223.6 D224.1
Net-(D224-CO): D224.5 D225.2
Net-(D224-DO): D224.6 D225.1
Net-(D225-CO): D225.5 D226.2
Net-(D225-DO): D225.6 D226.1
Net-(D226-CO): D226.5 D227.2
Net-(D226-DO): D226.6 D227.1
Net-(D227-CO): D227.5 D228.2
Net-(D227-DO): D227.6 D228.1
Net-(D228-CO): D228.5 D229.2
Net-(D228-DO): D228.6 D229.1
Net-(D229-CO): D229.5 D230.2
Net-(D229-DO): D229.6 D230.1
Net-(D230-CO): D230.5 D231.2
Net-(D230-DO): D230.6 D231.1
Net-(D231-CO): D231.5 D232.2
Net-(D231-DO): D231.6 D232.1
Net-(D232-CO): D232.5 D233.2
Net-(D232-DO): D232.6 D233.1
Net-(D233-CO): D233.5 D234.2
Net-(D233-DO): D233.6 D234.1
Net-(D234-CO): D234.5 D235.2
Net-(D234-DO): D234.6 D235.1
Net-(D235-CO): D235.5 D236.2
Net-(D235-DO): D235.6 D236.1
Net-(D236-CO): D236.5 D237.2
Net-(D236-DO): D236.6 D237.1
Net-(D237-CO): D237.5 D238.2
Net-(D237-DO): D237.6 D238.1
Net-(D238-CO): D238.5 D239.2
Net-(D238-DO): D238.6 D239.1
Net-(D239-CO): D239.5 D240.2
Net-(D239-DO): D239.6 D240.1
Net-(D240-CO): D240.5 D241.2
Net-(D240-DO): D240.6 D241.1
Net-(D241-CO): D241.5 D242.2
Net-(D241-DO): D241.6 D242.1
Net-(D242-CO): D242.5 D243.2
Net-(D242-DO): D242.6 D243.1
Net-(D243-CO): D243.5 D244.2
Net-(D243-DO): D243.6 D244.1
Net-(D244-CO): D244.5 D245.2
Net-(D244-DO): D244.6 D245.1
Net-(D245-CO): D245.5 D246.2
Net-(D245-DO): D245.6 D246.1
Net-(D246-CO): D246.5 D247.2
Net-(D246-DO): D246.6 D247.1
Net-(D247-CO): D247.5 D248.2
Net-(D247-DO): D247.6 D248.1
Net-(D248-CO): D248.5 D249.2
Net-(D248-DO): D248.6 D249.1
Net-(D249-CO): D249.5 D250.2
Net-(D249-DO): D249.6 D250.1
Net-(D250-CO): D250.5 D251.2
Net-(D250-DO): D250.6 D251.1
Net-(D251-CO): D251.5 D252.2
Net-(D251-DO): D251.6 D252.1
Net-(D252-CO): D252.5 D253.2
Net-(D252-DO): D252.6 D253.1
Net-(D253-CO): D253.5 D254.2
Net-(D253-DO): D253.6 D254.1
Net-(D254-CO): D254.5 D255.2
Net-(D254-DO): D254.6 D255.1
Net-(D255-CO): D255.5 D256.2
Net-(D255-DO): D255.6 D256.1
Net-(D256-CO): D256.5 D257.2
Net-(D256-DO): D256.6 D257.1
Net-(D257-CO): D257.5 D258.2
Net-(D257-DO): D257.6 D258.1
Net-(D258-CO): D258.5 D259.2
Net-(D258-DO): D258.6 D259.1
Net-(D259-CO): D259.5 D260.2
Net-(D259-DO): D259.6 D260.1
Net-(D260-CO): D260.5 D261.2
Net-(D260-DO): D260.6 D261.1
Net-(D261-CO): D261.5 D262.2
Net-(D261-DO): D261.6 D262.1
Net-(D262-CO): D262.5 D263.2
Net-(D262-DO): D262.6 D263.1
Net-(D263-CO): D263.5 D264.2
Net-(D263-DO): D263.6 D264.1
Net-(D264-CO): D264.5 D265.2
Net-(D264-DO): D264.6 D265.1
Net-(D265-CO): D265.5 D266.2
Net-(D265-DO): D265.6 D266.1
Net-(D266-CO): D266.5 D267.2
Net-(D266-DO): D266.6 D267.1
Net-(D267-CO): D267.5 D268.2
Net-(D267-DO): D267.6 D268.1
Net-(D268-CO): D268.5 D269.2
Net-(D268-DO): D268.6 D269.1
Net-(D269-CO): D269.5 D270.2
Net-(D269-DO): D269.6 D270.1
Net-(D270-CO): D270.5 D271.2
Net-(D270-DO): D270.6 D271.1
Net-(D271-CO): D271.5 D272.2
Net-(D271-DO): D271.6 D272.1
Net-(D272-CO): D272.5 D273.2
Net-(D272-DO): D272.6 D273.1
Net-(D273-CO): D273.5 D274.2
Net-(D273-DO): D273.6 D274.1
Net-(D274-CO): D274.5 D275.2
Net-(D274-DO): D274.6 D275.1
Net-(D275-CO): D275.5 D276.2
Net-(D275-DO): D275.6 D276.1
Net-(D276-CO): D276.5 D277.2
Net-(D276-DO): D276.6 D277.1
Net-(D277-CO): D277.5 D278.2
Net-(D277-DO): D277.6 D278.1
Net-(D278-CO): D278.5 D279.2
Net-(D278-DO): D278.6 D279.1
Net-(D279-CO): D279.5 D280.2
Net-(D279-DO): D279.6 D280.1
Net-(D280-CO): D280.5 D281.2
Net-(D280-DO): D280.6 D281.1
Net-(D281-CO): D281.5 D282.2
Net-(D281-DO): D281.6 D282.1
Net-(D282-CO): D282.5 D283.2
Net-(D282-DO): D282.6 D283.1
Net-(D283-CO): D283.5 D284.2
Net-(D283-DO): D283.6 D284.1
Net-(D284-CO): D284.5 D285.2
Net-(D284-DO): D284.6 D285.1
Net-(D285-CO): D285.5 D286.2
Net-(D285-DO): D285.6 D286.1
Net-(D286-CO): D286.5 D287.2
Net-(D286-DO): D286.6 D287.1
Net-(D287-CO): D287.5 D288.2
Net-(D287-DO): D287.6 D288.1
Net-(D288-CO): D288.5 D289.2
Net-(D288-DO): D288.6 D289.1
Net-(D289-CO): D289.5 D290.2
Net-(D289-DO): D289.6 D290.1
Net-(D290-CO): D290.5 D291.2
Net-(D290-DO): D290.6 D291.1
Net-(D291-CO): D291.5 D292.2
Net-(D291-DO): D291.6 D292.1
Net-(D292-CO): D292.5 D293.2
Net-(D292-DO): D292.6 D293.1
Net-(D293-CO): D293.5 D294.2
Net-(D293-DO): D293.6 D294.1
Net-(D294-CO): D294.5 D295.2
Net-(D294-DO): D294.6 D295.1
Net-(D295-CO): D295.5 D296.2
Net-(D295-DO): D295.6 D296.1
Net-(D296-CO): D296.5 D297.2
Net-(D296-DO): D296.6 D297.1
Net-(D297-CO): D297.5 D298.2
Net-(D297-DO): D297.6 D298.1
Net-(D298-CO): D298.5 D299.2
Net-(D298-DO): D298.6 D299.1
Net-(D299-CO): D299.5 D300.2
Net-(D299-DO): D299.6 D300.1
Net-(D300-CO): D300.5 D301.2
Net-(D300-DO): D300.6 D301.1
Net-(D301-CO): D301.5 D302.2
Net-(D301-DO): D301.6 D302.1
Net-(D302-CO): D302.5 D303.2
Net-(D302-DO): D302.6 D303.1
Net-(D303-CO): D303.5 D304.2
Net-(D303-DO): D303.6 D304.1
Net-(D304-CO): D304.5 D305.2
Net-(D304-DO): D304.6 D305.1
Net-(D305-CO): D305.5 D306.2
Net-(D305-DO): D305.6 D306.1
Net-(D306-CO): D306.5 D307.2
Net-(D306-DO): D306.6 D307.1
Net-(D307-CO): D307.5 D308.2
Net-(D307-DO): D307.6 D308.1
Net-(D308-CO): D308.5 D309.2
Net-(D308-DO): D308.6 D309.1
Net-(D309-CO): D309.5 D310.2
Net-(D309-DO): D309.6 D310.1
Net-(D310-CO): D310.5 D311.2
Net-(D310-DO): D310.6 D311.1
Net-(D311-CO): D311.5 D312.2
Net-(D311-DO): D311.6 D312.1
Net-(D312-CO): D312.5 D313.2
Net-(D312-DO): D312.6 D313.1
Net-(D313-CO): D313.5 D314.2
Net-(D313-DO): D313.6 D314.1
Net-(D314-CO): D314.5 D315.2
Net-(D314-DO): D314.6 D315.1
Net-(D315-CO): D315.5 D316.2
Net-(D315-DO): D315.6 D316.1
Net-(D316-CO): D316.5 D317.2
Net-(D316-DO): D316.6 D317.1
Net-(D317-CO): D317.5 D318.2
Net-(D317-DO): D317.6 D318.1
Net-(D318-CO): D318.5 D319.2
Net-(D318-DO): D318.6 D319.1
Net-(D319-CO): D319.5 D320.2
Net-(D319-DO): D319.6 D320.1
Net-(D320-CO): D320.5 D321.2
Net-(D320-DO): D320.6 D321.1
Net-(D321-CO): D321.5 D322.2
Net-(D321-DO): D321.6 D322.1
Net-(D322-CO): D322.5 D323.2
Net-(D322-DO): D322.6 D323.1
Net-(D323-CO): D323.5 D324.2
Net-(D323-DO): D323.6 D324.1
Net-(D324-CO): D324.5 D325.2
Net-(D324-DO): D324.6 D325.1
Net-(D325-CO): D325.5 D326.2
Net-(D325-DO): D325.6 D326.1
Net-(D326-CO): D326.5 D327.2
Net-(D326-DO): D326.6 D327.1
Net-(D327-CO): D327.5 D328.2
